# KiCad board Pravetz8A-patched.kicad_pcb (continued)
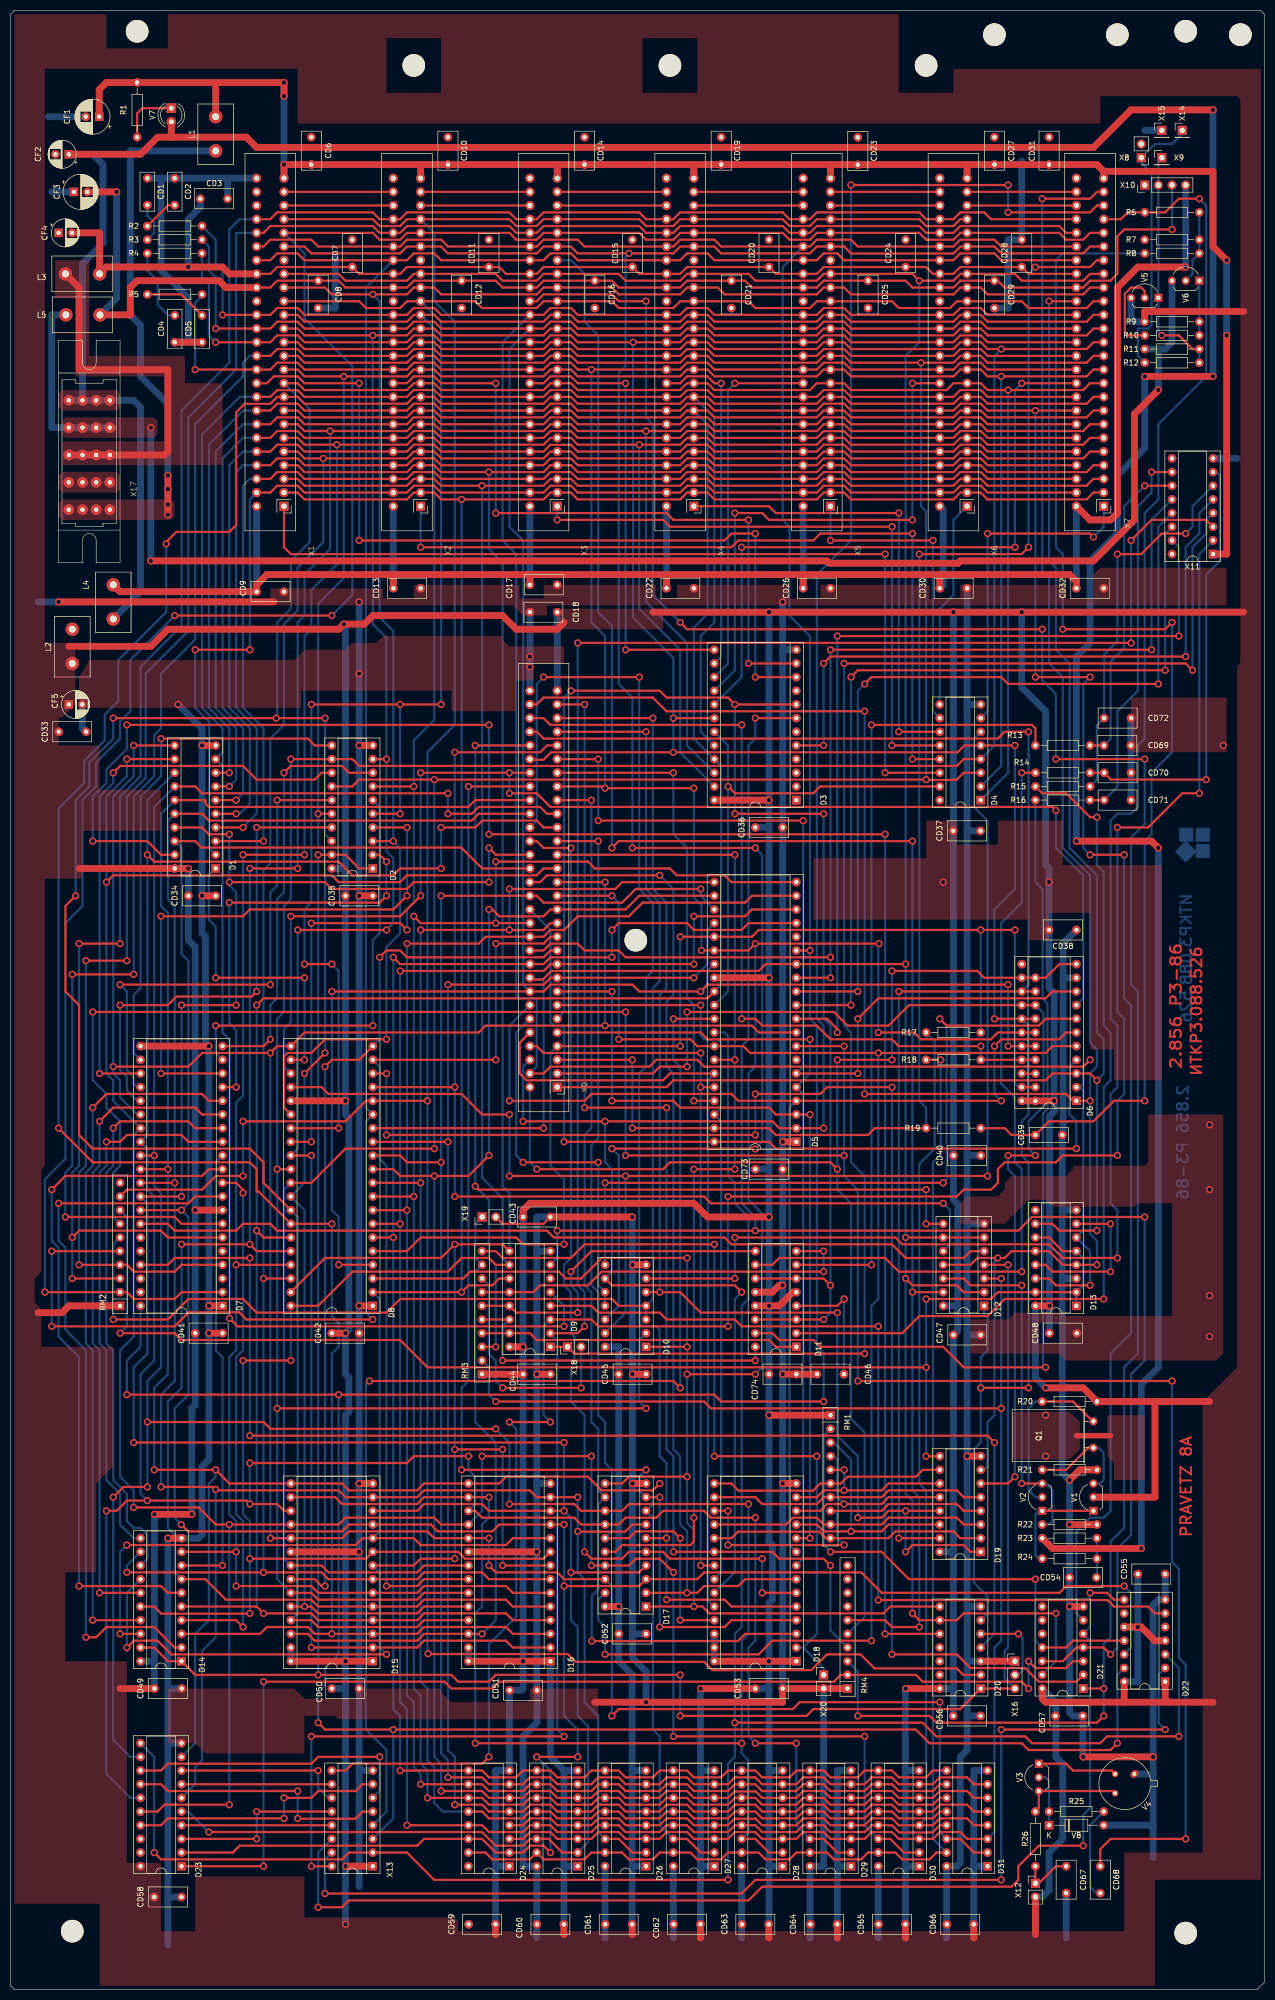
[diagram p0: board, top side]
## Routing (per net, layer and track width the routed paths; a pad name or vN(x,y) marks a point on that pad's centre or on a via; arc(x,y) is an arc through that point) (continued)
~{DS1}: length 157.8
  Top w0.406: v1(138.43,270.51) 133.99,270.51 132.72,269.24 v1(64.77,269.24) ; D3.10 v1(138.43,243.84) ; 45.72,298.45 47.62,298.45 48.89,299.72 53.34,299.72 54.61,298.45 v1(64.77,298.45)
  Bottom w0.406: v1(64.77,269.24) v1(64.77,298.45) ; v1(138.43,243.84) v1(138.43,270.51)
~{DS2}: length 127.3
  Top w0.406: v1(90.17,274.32) 121.92,274.32 123.19,273.05 v1(137.16,273.05) ; v1(90.17,298.45) 80.01,298.45 78.74,299.72 74.93,299.72 73.66,298.45 71.12,298.45 ; v1(137.16,246.38) D3.11
  Bottom w0.406: v1(90.17,298.45) v1(90.17,274.32) ; v1(137.16,273.05) v1(137.16,246.38)
~{DS3}: length 84.9
  Top w0.406: 96.52,298.45 99.06,298.45 100.33,299.72 104.14,299.72 105.41,298.45 v1(114.3,298.45) ; D3.13 v1(114.3,248.92)
  Bottom w0.406: v1(114.3,248.92) v1(114.3,298.45)
~{DS4}: length 63.8
  Top w0.406: v1(132.08,298.45) 130.81,298.45 129.54,299.72 125.73,299.72 124.46,298.45 121.92,298.45
  Bottom w0.406: D3.14 132.08,247.65 v1(132.08,298.45)
~{DS5}: length 68.9
  Top w0.406: v1(134.62,298.45) 134.62,298.45 147.32,298.45
  Bottom w0.406: D3.15 133.35,246.38 133.35,297.18 v1(134.62,298.45)
~{DS6}: length 98.6
  Top w0.406: v1(167.64,273.05) 140.97,273.05 139.7,274.32 v1(134.62,274.32) ; v1(167.64,298.45) 172.72,298.45
  Bottom w0.406: v1(134.62,274.32) 134.62,245.11 D3.16 ; v1(167.64,298.45) v1(167.64,273.05)
~{DS7}: length 123.3
  Top w0.406: v1(135.89,267.97) v1(186.69,267.97) ; v1(187.96,298.45) 187.96,298.45 198.12,298.45
  Bottom w0.406: v1(135.89,267.97) 135.89,243.84 D3.17 ; v1(187.96,298.45) 186.69,297.18 v1(186.69,267.97)
~{EN80}: length 218.6
  Top w0.406: v1(82.55,229.87) 98.42,229.87 99.7,231.14 X0.26 ; v1(82.55,147.32) 128.91,147.32 130.18,146.05 v1(173.36,146.05) ; D8.17 v1(82.55,167.64)
  Bottom w0.406: D12.10 174.62,138.43 174.62,144.78 v1(173.36,146.05) ; v1(82.55,147.32) v1(82.55,167.64) v1(82.55,229.87)
~{ENKBD}: length 438
  Top w0.406: v1(203.2,50.8) 201.93,49.53 172.09,49.53 170.81,50.8 v1(157.48,50.8) ; X3.35 97.79,313.69 99.06,314.96 111.76,314.96 113.03,313.69 v1(118.11,313.69) ; v1(191.77,252.73) 125.73,252.73 v1(124.46,254) ; v1(210.82,228.6) v1(194.31,228.6) ; D21.1 v1(203.2,55.88)
  Bottom w0.406: v1(191.77,252.73) 191.77,243.2 194.31,240.66 v1(194.31,228.6) ; v1(210.82,228.6) 210.82,216.53 208.28,213.99 208.28,186.69 209.55,185.42 209.55,118.11 207.01,115.57 207.01,85.72 204.47,83.19 204.47,65.4 203.2,64.13 v1(203.2,55.88) v1(203.2,50.8) ; v1(124.46,254) 119.38,259.08 119.38,290.83 118.11,292.1 v1(118.11,313.69) ; v1(157.48,50.8) 157.48,59.05 RM4.3
~{ENTMG}: length 245.3
  Top w0.406: v1(153.67,152.4) 152.4,153.67 122.55,153.67 121.29,152.4 v1(97.79,152.4) ; v1(163.83,189.23) 179.71,189.23 180.98,187.96 D6.13 192.41,187.96 194.95,190.5 D6.11 ; v1(153.67,172.72) v1(163.83,172.72)
  Bottom w0.406: X0.60 96.52,153.67 v1(97.79,152.4) ; RM4.5 158.75,69.21 158.75,103.5 156.21,106.04 156.21,146.05 153.67,148.59 v1(153.67,152.4) v1(153.67,172.72) ; v1(163.83,172.72) v1(163.83,189.23)
~{ENVID}: length 225.1
  Top w0.406: v1(123.19,81.28) D18.20 141.61,81.28 142.88,80.01 151.13,80.01 v1(152.4,78.74) ; X0.29 v1(106.68,238.76) ; v1(106.68,163.83) v1(121.92,163.83)
  Bottom w0.406: v1(152.4,78.74) 152.4,66.67 RM4.4 ; v1(121.92,163.83) 121.92,100.33 123.19,99.06 v1(123.19,81.28) ; v1(106.68,238.76) v1(106.68,163.83)
~{FRCTXT}: length 69.4
  Top w0.406: v1(109.22,153.67) v1(95.25,153.67)
  Bottom w0.406: v1(109.22,153.67) 109.22,130.81 D10.10 D10.11 ; v1(95.25,153.67) 93.98,154.94 93.98,177.8 X0.55
~{INH}: length 447.2
  Top w0.406: 198.12,321.31 184.15,321.31 184.15,321.31 182.88,322.58 176.53,322.58 175.26,321.31 154.94,321.31 153.67,322.58 151.13,322.58 149.86,321.31 130.81,321.31 129.54,322.58 125.73,322.58 124.46,321.31 105.41,321.31 104.14,322.58 100.33,322.58 99.06,321.31 80.01,321.31 78.74,322.58 74.93,322.58 73.66,321.31 54.61,321.31 53.34,322.58 49.53,322.58 48.26,321.31 45.72,321.31 ; RM2.5 v1(7.62,137.16) ; v1(67.31,124.46) 43.81,124.46 42.48,125.8 33.09,125.8 30.48,123.19 v1(7.62,123.19)
  Bottom w0.406: v1(67.31,124.46) 66.04,125.73 66.04,161.29 D8.15 66.04,163.83 66.04,316.23 71.12,321.31 ; v1(7.62,123.19) v1(7.62,137.16)
~{IO1}: length 170.7
  Top w0.406: D4.14 v1(162.56,226.06) ; v1(162.56,266.7) 52.07,266.7 50.8,267.97 X1.1
  Bottom w0.406: v1(162.56,226.06) v1(162.56,266.7)
~{IO2}: length 147.1
  Top w0.406: v1(167.64,270.51) 150.5,270.51 149.23,269.24 135.26,269.24 133.99,267.97 v1(76.2,267.97) ; D4.13 v1(167.64,228.6)
  Bottom w0.406: v1(167.64,228.6) v1(167.64,270.51) ; 76.2,275.59 v1(76.2,267.97)
~{IO3}: length 114.8
  Top w0.406: v1(101.6,273.05) 121.29,273.05 122.55,271.78 v1(163.83,271.78) ; D4.12 v1(163.83,231.14)
  Bottom w0.406: v1(163.83,271.78) v1(163.83,231.14) ; X3.1 v1(101.6,273.05)
~{IO4}: length 86.9
  Top w0.406: v1(165.1,274.32) 142.24,274.32 140.97,275.59 X4.1 ; D4.11 v1(165.1,233.68)
  Bottom w0.406: v1(165.1,233.68) v1(165.1,274.32)
~{IO5}: length 58.9
  Top w0.406: v1(152.4,269.24) v1(171.45,269.24)
  Bottom w0.406: v1(171.45,269.24) 171.45,237.49 D4.10 ; X5.1 v1(152.4,269.24)
~{IO6}: length 38.9
  Bottom w0.406: X6.1 175.26,273.05 175.26,259.08 172.72,256.54 D4.9
~{IO7}: length 61.3
  Top w0.406: v1(201.3,269.88) 200.66,270.51 v1(181.61,270.51)
  Bottom w0.406: X7.1 203.2,271.78 v1(201.3,269.88) ; v1(181.61,270.51) 181.61,237.49 D4.7
~{IO STB}: length 410.9
  Top w0.406: X7.20 200.66,323.85 199.39,322.58 184.15,322.58 182.88,323.85 176.53,323.85 175.24,322.56 156.23,322.56 154.94,323.85 149.86,323.85 148.59,322.58 132.08,322.58 130.81,323.85 124.46,323.85 123.19,322.58 105.41,322.58 104.14,323.85 99.06,323.85 97.79,322.58 81.28,322.58 80.01,323.85 73.66,323.85 72.39,322.58 55.88,322.58 54.61,323.85 X1.20 ; v1(138.43,212.09) v1(115.57,212.09) ; v1(111.76,156.21) 138.37,156.21 v1(138.43,156.15)
  Bottom w0.406: v1(115.57,212.09) 115.57,240.03 113.03,242.57 113.03,300.35 114.3,301.62 114.3,321.94 v1(114.93,322.58) ; v1(138.43,156.15) 139.7,157.42 139.7,210.82 v1(138.43,212.09) ; v1(111.76,156.21) 113.03,154.94 113.03,127 D10.12
~{IRQ}: length 398.6
  Top w0.406: X7.30 196.22,326.39 194.95,327.66 176.53,327.66 175.26,326.39 170.18,326.39 168.91,327.66 149.86,327.66 148.59,326.39 144.78,326.39 143.51,327.66 124.46,327.66 123.19,326.39 118.11,326.39 116.84,327.66 99.06,327.66 97.79,326.39 93.98,326.39 92.71,327.66 73.66,327.66 72.39,326.39 68.58,326.39 67.31,327.66 48.26,327.66 46.99,326.39 X1.30 ; D7.4 31.75,134.62 30.48,133.35 22.86,133.35 21.59,134.62 RM2.4 v1(12.7,134.62) ; v1(13.97,191.13) v1(21.59,191.13)
  Bottom w0.406: X1.30 41.91,326.39 41.91,300.99 33.02,292.1 33.02,252.41 25.08,244.47 25.08,225.11 21.59,221.61 v1(21.59,191.13) ; v1(13.97,191.13) 13.97,153.03 12.7,151.76 v1(12.7,134.62)
~{KBD}: length 259.7
  Top w0.406: D21.2 198.12,57.15 191.14,57.15 188.59,59.69 178.44,59.69 175.9,62.23 v1(163.83,62.23) ; v1(138.43,166.37) 150.5,166.37 151.77,167.64 v1(163.83,167.64) ; v1(138.43,158.75) v1(69.85,158.75) ; v1(69.85,170.18) D8.18
  Bottom w0.406: v1(69.85,158.75) v1(69.85,170.18) ; v1(138.43,166.37) v1(138.43,158.75) ; v1(163.83,62.23) v1(163.83,167.64)
~{LDPS}: length 277.2
  Top w0.406: NOREF#3.12 v1(165.1,185.42) ; v1(189.23,233.68) 184.79,233.68 183.52,232.41 99.06,232.41 97.79,233.68 X0.34 ; D19.15 v1(165.1,83.82)
  Bottom w0.406: 187.96,185.42 189.23,186.69 v1(189.23,233.68) ; v1(165.1,185.42) v1(165.1,83.82)
~{NMI}: length 414
  Top w0.406: RM2.3 v1(11.43,132.08) ; X1.29 48.26,328.93 49.53,330.2 67.31,330.2 68.58,328.93 72.39,328.93 73.66,330.2 92.71,330.2 93.98,328.93 97.79,328.93 99.06,330.2 116.84,330.2 118.11,328.93 123.19,328.93 124.46,330.2 143.51,330.2 144.78,328.93 148.59,328.93 149.86,330.2 168.91,330.2 170.18,328.93 175.26,328.93 176.53,330.2 180.98,330.2 182.25,328.93 X7.29 ; D7.6 29.21,139.7 27.94,140.97 12.7,140.97 v1(11.43,139.7) ; v1(12.7,194.31) v1(20.32,194.31)
  Bottom w0.406: v1(12.7,194.31) 12.7,153.03 11.43,151.76 v1(11.43,139.7) v1(11.43,132.08) ; v1(20.32,194.31) 20.32,221.61 24.13,225.42 24.13,245.74 31.75,253.36 31.75,293.37 40.64,302.26 40.64,327.02 42.55,328.93 X1.29
~{PCAS}: length 153.8
  Top w0.406: R18.1 D6.19 NOREF#9.17 ; v1(180.34,175.26) 165.1,175.26 163.83,176.53 152.4,176.53 149.86,179.07 139.7,179.07 138.43,180.34 v1(135.89,180.34) ; X0.33 99.06,236.22 100.33,234.95 v1(135.89,234.95)
  Bottom w0.406: R18.1 v1(180.34,175.26) ; v1(135.89,234.95) v1(135.89,180.34)
~{PRAS}: length 233.2
  Top w0.406: X0.4 v1(124.46,175.26) ; v1(124.46,195.58) 137.8,195.58 139.06,196.85 v1(180.34,196.85) v1(186.69,196.85) ; v1(102.87,138.43) 95.25,138.43 93.98,139.7 76.2,139.7 73.66,137.16 D8.5 ; 187.96,167.64 NOREF#6.19
  Bottom w0.406: v1(124.46,175.26) v1(124.46,195.58) ; 187.96,167.64 187.33,167.64 186.69,168.27 v1(186.69,196.85) ; v1(180.34,196.85) R17.1 ; X0.4 100.33,173.99 100.33,153.03 102.87,150.49 v1(102.87,138.43)
~{RA9}: length 145.8
  Top w0.406: X0.56 94.61,175.89 94.61,170.18 95.88,168.91 121.29,168.91 122.55,170.18 D5.35
  Bottom w0.406: D18.24 129.54,72.39 129.61,72.46 129.61,168.98 D5.35
~{RA10}: length 132.6
  Top w0.406: X0.57 97.79,175.26 99.06,173.99 v1(128.27,173.99) ; D5.36 v1(128.27,167.64) ; D18.21 v1(128.27,78.74)
  Bottom w0.406: v1(128.27,173.99) v1(128.27,167.64) v1(128.27,78.74)
~{RES}: length 778.4
  Top w0.406: v1(151.13,109.22) 132.08,109.22 130.81,110.49 v1(60.96,110.49) v1(21.59,110.49) ; D5.15 v1(148.59,193.04) ; v1(205.74,45.72) 204.47,44.45 189.23,44.45 187.96,45.72 170.81,45.72 168.28,48.26 v1(71.12,48.26) 58.42,48.26 v1(57.15,49.53) ; X7.31 184.15,323.85 182.88,325.12 176.53,325.12 175.26,323.85 157.48,323.85 156.21,325.12 149.86,325.12 148.59,323.85 132.08,323.85 130.81,325.12 124.46,325.12 123.19,323.85 106.68,323.85 105.41,325.12 99.06,325.12 97.79,323.85 81.28,323.85 80.01,325.12 73.66,325.12 72.39,323.85 57.15,323.85 55.88,325.12 48.26,325.12 46.99,323.85 X1.31
  Bottom w0.406: D7.40 24.13,119.38 21.59,116.84 v1(21.59,110.49) ; v1(151.13,109.22) 151.13,118.11 149.86,119.38 149.86,179.07 148.59,180.34 v1(148.59,193.04) 148.59,251.46 144.78,255.27 144.78,271.78 143.51,273.05 143.51,320.04 X5.31 ; v1(71.12,48.26) 71.12,31.75 X13.3 ; D22.13 205.74,58.42 v1(205.74,45.72) ; v1(57.15,49.53) 57.15,55.25 58.42,56.51 58.42,59.69 60.96,62.23 v1(60.96,110.49)
~{ROMEN1}: length 166.1
  Top w0.406: v1(58.42,171.45) 59.69,172.72 64.77,172.72 D8.20 ; 52.07,76.2 56.52,76.2 57.78,74.93 v1(58.42,74.93) ; v1(68.58,191.77) 69.85,193.04 72.39,193.04 73.66,191.77 99.06,191.77 100.33,193.04 X0.11 100.96,193.04
  Bottom w0.406: D8.20 68.58,176.53 v1(68.58,191.77) ; v1(58.42,74.93) v1(58.42,171.45)
~{ROMEN2}: length 171.7
  Top w0.406: 100.96,195.58 X0.12 100.33,195.58 99.06,194.31 99.04,194.33 v1(90.19,194.33) 90.17,194.31 ; v1(90.17,172.72) D8.19 ; v1(69.85,74.93) 75.56,74.93 76.83,76.2 D16.22
  Bottom w0.406: v1(90.17,172.72) 90.19,172.74 v1(90.19,194.33) ; D8.19 68.58,171.45 68.58,154.3 69.85,153.03 v1(69.85,74.93)
~{SEROUT}: length 241.3
  Top w0.406: D19.13 163.2,88.9 161.93,87.63 v1(157.48,87.63) ; v1(153.67,125.73) 128.27,125.73 124.46,129.54 D10.5 ; v1(119.38,236.22) X0.28 ; v1(166.37,81.28) 167.64,82.55 177.17,82.55 178.44,81.28 D19.1
  Bottom w0.406: v1(120.65,129.54) 120.65,184.78 121.92,186.05 121.92,201.93 119.38,204.47 v1(119.38,236.22) ; v1(153.67,125.73) 153.67,102.87 157.48,99.06 v1(157.48,87.63) ; v1(166.37,81.28) v1(166.37,88.9)
~{STB}: length 119.5
  Top w0.406: v1(151.13,231.14) D3.5 ; v1(218.44,247.65) 152.4,247.65 v1(151.13,246.38)
  Bottom w0.406: v1(151.13,246.38) v1(151.13,231.14) ; X11.5 220.98,274.32 220.98,270.51 218.44,267.97 v1(218.44,247.65)
~{SYNC}: length 276.2
  Top w0.406: R19.2 160.66,160.02 159.39,158.75 142.24,158.75 140.97,160.02 D5.39 v1(115.57,160.02) ; X7.19 201.93,321.31 200.66,320.04 v1(190.5,320.04) ; v1(115.57,172.72) X0.3 ; v1(168.91,266.7) 187.96,266.7 v1(189.23,267.97)
  Bottom w0.406: v1(190.5,320.04) 189.23,318.77 v1(189.23,267.97) ; R19.2 170.18,163.83 168.91,165.1 v1(168.91,266.7) ; v1(115.57,160.02) v1(115.57,172.72)
~{WNDW}: length 138
  Top w0.406: X0.7 v1(128.27,182.88)
  Bottom w0.406: v1(128.27,182.88) 128.27,177.16 128.91,176.53 131.45,176.53 132.08,175.89 132.08,163.83 D5.38 132.08,161.29 132.08,77.47 D18.22
Net-(CD1-Pad2): length 7.4
  Bottom w0.406: 25.4,331.47 25.4,329.56 26.67,328.29 26.67,326.39 R3.1
Net-(CD2-Pad2): length 6.7
  Top w0.406: R2.1 29.29,331.55 CD2.2
Net-(CD4-Pad2): length 14.3
  Bottom w0.406: CD4.2 29.29,311.07 27.31,313.05 27.31,317.5 25.4,319.4 R4.1
Net-(CD5-Pad2): length 11.8
  Top w0.406: R5.1 31.67,314.96 CD5.2
Net-(CD39-Pad2): length 231
  Top w0.406: v1(210.82,165.1) 205.11,165.1 201.3,161.29 193.04,161.29 CD39.2 186.06,158.75 184.79,160.02 180.98,160.02 ; v1(195.58,252.73) 214.63,252.73 v1(215.9,254)
  Bottom w0.406: R8.2 195.58,322.58 194.31,321.31 194.31,267.97 195.58,266.7 v1(195.58,252.73) ; v1(215.9,254) 215.9,229.87 212.09,226.06 212.09,214.63 210.82,213.36 v1(210.82,165.1)
Net-(CD54-Pad2): length 7.3
  Bottom w0.406: R23.2 201.93,76.6 CD54.2
Net-(CD68-Pad2): length 16.8
  Bottom w0.406: R25.1 200.66,30.48 200.66,19.05 201.93,17.78
Net-(D1-CE): length 360.6
  Top w0.406: v1(15.24,213.36) 25.4,213.36 27.94,210.82 D1.19 ; v1(162.56,66.04) D20.10 ; v1(88.9,214.63) v1(162.56,214.63) ; v1(21.59,234.95) v1(88.9,234.95)
  Bottom w0.406: v1(21.59,234.95) 21.59,230.5 17.78,226.69 17.78,224.15 15.24,221.61 v1(15.24,213.36) ; v1(162.56,66.04) v1(162.56,214.63) ; v1(88.9,234.95) v1(88.9,214.63)
Net-(D2-I0a): length 76.5
  Top w0.406: v1(40.64,201.93) 68.58,201.93 v1(69.85,203.2) ; v1(41.91,167.64) D7.17 ; 67.31,210.82 68.58,210.82 v1(69.85,209.55)
  Bottom w0.406: v1(41.91,167.64) 41.91,178.28 40.64,179.55 v1(40.64,201.93) ; v1(69.85,209.55) v1(69.85,203.2)
Net-(D2-I0b): length 94.6
  Top w0.406: v1(27.94,232.41) 55.24,232.41 56.52,231.14 D2.11
  Bottom w0.406: v1(27.94,232.41) 27.94,225.42 24.13,221.61 24.13,186.05 22.86,184.78 22.86,173.99 D7.22
Net-(D2-I1a): length 107
  Top w0.406: D2.4 v1(73.66,215.9) ; D7.18 v1(27.94,170.18) ; v1(27.94,199.39) 43.18,199.39 44.45,200.66 71.12,200.66 v1(73.66,203.2)
  Bottom w0.406: v1(27.94,199.39) v1(27.94,170.18) ; v1(73.66,215.9) v1(73.66,203.2)
Net-(D2-I1b): length 107.3
  Top w0.406: v1(19.05,226.06) 20.32,227.33 43.18,227.33 45.72,224.79 56.52,224.79 57.78,226.06 D2.13 ; D7.23 v1(16.51,170.18)
  Bottom w0.406: v1(16.51,170.18) 16.51,221.61 19.05,224.15 v1(19.05,226.06)
Net-(D2-I2a): length 79
  Top w0.406: v1(67.31,179.07) v1(38.1,179.07)
  Bottom w0.406: D7.19 38.1,173.99 v1(38.1,179.07) ; 67.31,220.98 68.58,219.71 68.58,196.21 67.31,194.94 v1(67.31,179.07)
Net-(D2-I2b): length 93.9
  Top w0.406: 59.69,220.98 v1(49.53,220.98) ; v1(48.26,186.69) v1(20.32,186.69)
  Bottom w0.406: v1(49.53,220.98) 49.53,205.1 48.26,203.83 v1(48.26,186.69) ; D7.24 23.5,167.64 22.86,168.27 22.86,169.54 21.59,170.81 21.59,185.42 v1(20.32,186.69)
Net-(D2-I3a): length 77.6
  Top w0.406: v1(48.26,176.53) 46.99,175.26 D7.20 ; v1(50.8,226.06) 52.07,227.33 61.59,227.33 62.86,226.06 D2.8
  Bottom w0.406: v1(48.26,176.53) 48.26,182.88 49.53,184.15 49.53,202.56 50.8,203.83 v1(50.8,226.06)
Net-(D2-I3b): length 90.6
  Top w0.406: 45.72,185.42 44.77,184.47 30.8,184.47 29.21,182.88 v1(20.32,182.88) ; D2.17 v1(45.72,215.9)
  Bottom w0.406: v1(45.72,215.9) 45.72,185.42 v1(45.72,185.42) ; v1(20.32,182.88) 20.32,170.81 21.59,169.54 21.59,167 23.5,165.1 D7.25
Net-(D6-I2): length 135.8
  Top w0.406: D6.7 192.41,180.34 191.14,179.07 173.99,179.07 v1(172.72,180.34) ; v1(110.49,149.86) v1(173.36,149.86)
  Bottom w0.406: D10.8 v1(110.49,149.86) ; v1(173.36,149.86) 173.99,150.49 173.99,179.07 v1(172.72,180.34)
Net-(D7-R/~{W}): length 161.1
  Top w0.406: D12.5 178.44,137.16 177.17,135.89 166.37,135.89 163.83,138.43 133.99,138.43 132.72,139.7 100.96,139.7 99.7,140.97 49.53,140.97 48.26,142.24 43.18,142.24 41.91,140.97 30.48,140.97 29.21,142.24 D7.34
Net-(D7-ϕ0): length 232
  Top w0.406: v1(44.45,102.87) 181.61,102.87 v1(182.88,101.6) ; D7.37 29.21,134.62 30.48,135.89 v1(44.45,135.89)
  Bottom w0.406: v1(182.88,101.6) 182.88,66.04 D20.4 ; v1(44.45,102.87) v1(44.45,135.89)
Net-(D9-I1): length 385.5
  Top w0.406: v1(92.71,105.41) v1(100.33,105.41) ; v1(133.35,123.19) 109.22,123.19 107.95,124.46 D9.3 ; v1(133.35,147.32) 175.9,147.32 177.17,148.59 182.25,148.59 183.52,149.86 183.52,152.4 184.79,153.67 194.31,153.67 195.58,154.94 v1(205.74,154.94) ; X13.9 62.23,40.64 63.5,41.91 87.63,41.91 v1(88.9,43.18) ; v1(205.74,215.9) 211.46,215.9 217.81,222.25 v1(220.98,222.25)
  Bottom w0.406: v1(100.33,105.41) 99.06,106.68 99.06,123.19 D9.3 ; v1(92.71,105.41) 93.98,104.14 93.98,69.21 88.9,64.13 v1(88.9,43.18) ; v1(205.74,154.94) 205.74,165.1 207.01,166.37 207.01,180.34 205.74,181.61 v1(205.74,215.9) ; X11.2 220.98,266.7 v1(220.98,222.25) ; v1(133.35,147.32) v1(133.35,123.19)
Net-(D9-I2): length 424.6
  Top w0.406: v1(106.68,123.19) 105.41,121.92 D9.2 ; v1(208.28,250.19) v1(105.41,250.19) ; v1(55.88,46.99) v1(102.87,46.99) ; X13.16 v1(55.88,22.86) ; v1(208.28,269.24) 212.09,273.05 222.25,273.05 223.52,271.78
  Bottom w0.406: 100.33,121.92 D9.2 100.33,121.79 101.6,120.52 101.6,48.26 v1(102.87,46.99) ; v1(105.41,250.19) 105.41,130.81 106.68,129.54 v1(106.68,123.19) ; v1(55.88,22.86) v1(55.88,46.99) ; v1(208.28,269.24) v1(208.28,250.19)
Net-(D9-I3): length 284.9
  Top w0.406: v1(158.75,118.11) 104.77,118.11 103.51,119.38 D9.1 ; v1(219.71,245.11) 218.44,246.38 v1(154.94,246.38)
  Bottom w0.406: v1(219.71,245.11) 219.71,267.97 222.25,270.51 222.25,273.05 X11.4 ; v1(154.94,246.38) 154.94,179.07 156.21,177.8 156.21,153.67 158.75,151.13 v1(158.75,118.11)
Net-(D11-CV): length 23.4
  Top w0.406: v1(154.94,128.27) 153.67,127 D11.4
  Bottom w0.406: v1(154.94,128.27) 154.9,128.23 CD46.2
Net-(D11-OA): length 59.5
  Top w0.406: RM3.4 96.52,121.92 97.79,120.65 140.97,120.65 142.24,119.38 D11.1
Net-(D11-OB): length 74
  Top w0.406: D11.8 v1(151.13,137.16) ; v1(151.13,133.35) 109.86,133.35 107.31,130.81 98.42,130.81 97.16,129.54 D9.12 RM3.7
  Bottom w0.406: v1(151.13,137.16) v1(151.13,133.35)
Net-(D11-OC): length 62.3
  Top w0.406: D11.9 107.95,137.16 v1(104.14,133.35) ; v1(105.41,125.73) 93.98,125.73 D9.13 87.63,127
  Bottom w0.406: v1(104.14,133.35) 104.14,130.81 105.41,129.54 v1(105.41,125.73)
Net-(D11-OD): length 63.4
  Top w0.406: v1(138.43,116.84) v1(91.44,116.84) ; 88.27,124.46 RM3.5 D9.14
  Bottom w0.406: v1(91.44,116.84) 91.44,123.19 D9.14 ; D11.16 v1(138.43,116.84)
Net-(D11-TA-Pad2): length 164.7
  Top w0.406: D11.2 165.74,121.92 168.91,125.09 181.61,125.09 184.79,128.27 v1(203.2,128.27) ; v1(201.93,217.8) 200.66,217.8 196.22,222.25 191.77,222.25 R15.1
  Bottom w0.406: v1(203.2,128.27) 203.2,167.64 204.47,168.91 204.47,177.8 203.2,179.07 203.2,207.64 201.93,208.91 v1(201.93,217.8)
Net-(D11-TB-Pad7): length 148.2
  Top w0.406: v1(160.02,234.95) 189.87,234.95 190.5,234.31 R13.1 ; D11.7 v1(160.02,134.62)
  Bottom w0.406: v1(160.02,134.62) v1(160.02,234.95)
Net-(D11-TC-Pad10): length 149.5
  Top w0.406: v1(187.96,226.06) R14.1 ; v1(187.96,133.35) 165.1,133.35 162.56,135.89 142.88,135.89 141.61,134.62 D11.10
  Bottom w0.406: v1(187.96,226.06) 187.96,201.93 184.15,198.12 184.15,168.27 186.69,165.73 186.69,153.67 187.96,152.4 v1(187.96,133.35)
Net-(D11-TD-Pad15): length 163.5
  Top w0.406: v1(192.41,115.57) 177.17,115.57 173.36,119.38 150.5,119.38 149.23,120.65 142.88,120.65 141.61,121.92 D11.15
  Bottom w0.406: R16.1 190.5,205.74 191.84,204.4 191.84,184.07 192.74,183.17 192.74,163.58 191.92,162.76 191.92,116.06 v1(192.41,115.57)
Net-(D13A-~{Q}): length 28.5
  Top w0.406: v1(204.47,133.35) 193.68,133.35 192.41,134.62 191.14,134.62 ; 198.76,142.24 v1(204.47,142.24)
  Bottom w0.406: v1(204.47,142.24) v1(204.47,133.35)
Net-(D14-I0a): length 133.9
  Top w0.406: v1(13.97,65.4) 15.88,65.4 17.78,67.31 26.67,67.31 30.48,63.5 D14.2 ; v1(8.89,146.05) 33.02,146.05 34.29,147.32 D7.9
  Bottom w0.406: v1(8.89,146.05) 8.89,139.06 10.16,137.79 10.16,122.55 13.97,118.75 v1(13.97,65.4)
Net-(D14-I0b): length 100.7
  Top w0.406: D7.13 33.02,157.48 31.75,158.75 21.59,158.75 20.32,157.48 v1(17.78,157.48)
  Bottom w0.406: 24.13,83.82 22.86,83.82 20.32,86.36 20.32,92.07 17.78,94.61 17.78,118.75 16.51,120.01 16.51,151.76 17.78,153.03 v1(17.78,157.48)
Net-(D14-I1a): length 98.6
  Top w0.406: D14.4 41.91,68.58 v1(43.18,67.31) ; v1(43.18,147.95) 43.18,148.59 41.91,149.86 D7.10
  Bottom w0.406: v1(43.18,147.95) 43.18,118.75 41.91,117.47 41.91,88.26 43.18,87 v1(43.18,67.31)
Net-(D14-I1b): length 107.6
  Top w0.406: v1(19.05,160.02) 20.32,161.29 33.02,161.29 34.29,160.02 D7.14
  Bottom w0.406: v1(19.05,160.02) 19.05,153.03 17.78,151.76 17.78,120.01 19.05,118.75 19.05,94.61 21.59,92.07 21.59,87 22.86,85.72 24.13,85.72 25.4,84.45 25.4,80.01 24.13,78.74
Net-(D14-I2a): length 128.7
  Top w0.406: v1(7.62,148.59) 10.16,151.13 35.56,151.13 36.83,152.4 D7.11 ; D14.6 29.21,73.66 27.94,74.93 v1(12.7,74.93)
  Bottom w0.406: v1(12.7,74.93) 12.7,117.47 8.89,121.28 8.89,137.79 7.62,139.06 v1(7.62,148.59)
Net-(D14-I2b): length 120.7
  Top w0.406: 24.13,73.66 v1(16.51,73.66) ; D7.15 35.56,162.56 34.29,163.83 19.05,163.83 v1(16.51,161.29)
  Bottom w0.406: v1(16.51,161.29) 16.51,153.03 15.24,151.76 15.24,120.01 16.51,118.75 v1(16.51,73.66)
Net-(D14-I3a): length 84.8
  Top w0.406: D14.8 v1(39.37,78.74)
  Bottom w0.406: v1(39.37,78.74) 39.37,117.47 38.17,118.68 38.17,153.74 39.37,154.94
Net-(D14-I3b): length 130.9
  Top w0.406: 24.13,68.58 v1(15.24,68.58) ; v1(15.24,163.83) 17.78,166.37 35.56,166.37 36.83,165.1 39.37,165.1
  Bottom w0.406: v1(15.24,163.83) 15.24,153.03 13.97,151.76 13.97,120.01 15.24,118.75 v1(15.24,68.58)
Net-(D14-OEa): length 423.3
  Top w0.406: X16.3 D20.1 176.53,52.07 149.23,52.07 147.96,50.8 v1(124.46,50.8) ; v1(57.15,210.82) D2.19 62.23,210.82 64.77,208.28 D2.1 ; v1(124.46,58.42) 90.17,58.42 88.9,57.15 83.19,57.15 81.91,58.42 v1(57.15,58.42) 34.29,58.42 D14.1 29.21,60.96 26.67,63.5 24.13,63.5 ; v1(185.42,134.62) D12.4
  Bottom w0.406: v1(124.46,58.42) v1(124.46,50.8) ; X16.3 184.79,57.78 184.79,62.86 185.42,63.5 v1(185.42,134.62) ; v1(57.15,58.42) v1(57.15,210.82)
Net-(D18-A12): length 147.7
  Top w0.406: v1(130.81,138.43) 106.68,138.43 104.14,135.89 91.44,135.89 90.17,137.16 RM3.10 ; v1(149.86,99.06) v1(130.81,99.06)
  Bottom w0.406: v1(130.81,99.06) v1(130.81,138.43) ; 147.32,63.5 149.86,66.04 v1(149.86,99.06) ; 147.32,63.5 151.13,59.69 X20.1 ; 147.32,63.5 D18.2
Net-(D18-D0): length 45.5
  Top w0.406: D19.14 163.2,86.36 161.93,85.09 v1(156.21,85.09) 151.13,85.09 149.86,86.36 D18.11
  Bottom w0.406: 153.04,101.6 156.21,98.43 v1(156.21,85.09)
Net-(D18-D1): length 37.4
  Top w0.406: D18.12 150.49,88.9 151.77,90.17 v1(154.94,90.17) 161.93,90.17 163.2,91.44 D19.12
  Bottom w0.406: 153.04,99.06 153.67,98.42 153.67,91.44 v1(154.94,90.17)
Net-(D18-D2): length 34.1
  Top w0.406: v1(154.94,96.52) 152.4,96.52 ; D18.13 149.86,91.44 151.13,92.71 161.93,92.71 163.2,93.98 D19.11
  Bottom w0.406: v1(154.94,92.71) v1(154.94,96.52)
Net-(D18-D3): length 44.1
  Top w0.406: D19.10 169.55,96.52 168.28,95.25 155.58,95.25 154.31,93.98 150.5,93.98 149.16,92.64 135.32,92.64 133.99,93.98 D18.15
Net-(D18-D4): length 51.6
  Top w0.406: D18.16 138.43,91.44 139.7,90.17 149.86,90.17 151.13,91.44 161.93,91.44 163.2,92.71 175.9,92.71 177.17,91.44 D19.5
Net-(D18-D5): length 66
  Top w0.406: 153.04,88.9 161.92,88.9 163.2,90.17 175.9,90.17 177.17,88.9 D19.4 ; v1(133.35,82.55) v1(154.94,82.55) ; D18.17 v1(133.35,88.9)
  Bottom w0.406: v1(154.94,82.55) 153.67,83.82 153.67,88.26 153.04,88.9 ; v1(133.35,88.9) v1(133.35,82.55)
Net-(D18-D6): length 51.6
  Top w0.406: D19.3 177.17,86.36 175.9,87.63 163.2,87.63 161.93,86.36 151.13,86.36 149.86,87.63 145.42,87.63 144.15,86.36 D18.18
Net-(D18-D7): length 51.6
  Top w0.406: D18.19 133.99,83.82 135.19,85.02 150.34,85.02 151.54,83.82 163.2,83.82 164.47,85.09 175.26,85.09 176.53,83.82 D19.2
Net-(D22A-D): length 205.8
  Top w0.406: v1(184.15,20.32) 138.43,20.32 135.89,17.78 v1(58.42,17.78) ; v1(184.15,48.26) v1(214.63,48.26)
  Bottom w0.406: v1(184.15,20.32) v1(184.15,48.26) ; v1(214.63,48.26) 213.43,49.46 213.43,58.49 D22.2 ; X13.15 58.42,24.13 v1(58.42,17.78)
Net-(D22A-~{Q}): length 167.8
  Top w0.406: D22.6 212.73,69.85 211.46,71.12 205.11,71.12 203.9,72.32 v1(161.29,72.32) ; D9.4 107.95,127 109.22,125.73 120.65,125.73 121.92,124.46 134.62,124.46 135.89,123.19 v1(161.29,123.19)
  Bottom w0.406: v1(161.29,72.32) v1(161.29,123.19)
Net-(D22B-C): length 93.1
  Top w0.406: D21.11 196.22,63.5 197.49,64.77 D22.11 ; v1(190.5,76.2) 167.01,76.2 161.93,81.28 v1(152.4,81.28)
  Bottom w0.406: 152.4,104.14 151.13,102.87 151.13,82.55 v1(152.4,81.28) ; D21.11 190.5,64.77 v1(190.5,76.2)
Net-(D22B-~{Q}): length 217.7
  Top w0.406: v1(200.66,73.66) 203.84,73.66 205.11,72.39 D22.8 ; v1(199.39,26.67) 191.14,26.67 187.33,22.86 187.33,20.32 186.06,19.05 139.7,19.05 137.16,16.51 62.86,16.51 61.59,15.24 v1(57.15,15.24)
  Bottom w0.406: v1(57.15,15.24) 57.15,25.4 59.69,27.94 ; v1(200.66,73.66) 200.66,67.31 D21.5 200.66,64.77 200.66,33.65 199.39,32.38 v1(199.39,26.67)
Net-(D23-D0): length 33
  Top w0.406: v1(45.72,33.02) X13.12 ; 45.72,27.94 45.72,27.94 v1(45.72,27.94) 45.72,27.94 31.75,27.94 D23.3
  Bottom w0.406: v1(45.72,27.94) v1(45.72,33.02)
Net-(D23-D1): length 27.9
  Top w0.406: D23.4 X13.13
Net-(D23-D2): length 28.6
  Top w0.406: 60.33,38.1 D23.7
Net-(D23-D3): length 32.5
  Top w0.406: v1(57.15,40.64) 56.52,40.64 D23.8
  Bottom w0.406: 60.33,35.56 59.05,35.56 57.15,37.46 v1(57.15,40.64)
Net-(D23-D4): length 53.6
  Top w0.406: 24.13,40.64 27.94,40.64 29.21,41.91 55.88,41.91 57.15,43.18 v1(68.58,43.18)
  Bottom w0.406: v1(68.58,43.18) 68.58,36.83 67.31,35.56
Net-(D23-D5): length 49.4
  Top w0.406: X13.5 65.41,33.02 64.07,31.68 53.41,31.68 v1(53.34,31.75) ; 24.13,38.1 27.94,38.1 29.21,36.83 v1(53.34,36.83)
  Bottom w0.406: v1(53.34,31.75) v1(53.34,36.83)
Net-(D23-D6): length 48.6
  Top w0.406: v1(50.8,31.75) 29.21,31.75 27.94,30.48 24.13,30.48 ; v1(50.8,35.56) 55.88,35.56 57.15,36.83 64.13,36.83 65.41,38.1 X13.7
  Bottom w0.406: v1(50.8,31.75) v1(50.8,35.56)
Net-(D23-OE): length 210.7
  Top w0.406: v1(46.99,57.15) 80.64,57.15 81.91,55.88 89.53,55.88 90.8,57.15 153.04,57.15 154.31,58.42 168.28,58.42 169.55,57.15 187.96,57.15 v1(189.23,55.88) ; D21.3 197.49,60.96 196.22,59.69 190.5,59.69 v1(189.23,60.96) ; D23.1 v1(46.99,22.86)
  Bottom w0.406: v1(46.99,22.86) v1(46.99,57.15) ; v1(189.23,55.88) v1(189.23,60.96)
Net-(RM3G-R7.2): length 44.1
  Top w0.406: v1(91.44,111.76) v1(106.05,111.76)
  Bottom w0.406: v1(91.44,111.76) 90.17,113.03 90.17,116.84 88.9,118.11 88.9,130.81 RM3.8 ; v1(106.05,111.76) X18.2
Net-(V1-C): length 20.1
  Top w0.406: 192.41,96.52 196.22,96.52 200.33,100.64 Q1.2
  Bottom w0.406: Q1.2 202.26,100.64 203.2,99.69 203.2,94.61 202.56,93.98 V1.3
Net-(V1-E): length 20.8
  Top w0.406: V1.1 V2.1
  Bottom w0.406: 192.41,88.9 191.14,88.9 190.5,88.26 190.5,80.64 191.14,80.01 R24.1
Net-(V2-B): length 32.4
  Top w0.406: 192.41,109.22 197.49,109.22 201.17,105.54 Q1.1
  Bottom w0.406: 192.41,109.22 190.5,109.22 189.23,107.95 189.23,92.71 190.5,91.44 V2.2
Net-(V2-C): length 66.1
  Top w0.406: v1(187.96,130.81) 178.44,130.81 177.17,132.08 D12.12 ; v1(187.96,93.98) V2.3
  Bottom w0.406: V2.3 192.41,93.98 193.67,92.71 193.67,86.99 193.04,86.36 R22.1 ; v1(187.96,93.98) v1(187.96,130.81)
Net-(V3-B): length 10.4
  Bottom w0.406: V8.1 193.04,38.73 192.41,39.37 V3.2
Net-(V3-C): length 19.1
  Top w0.406: 191.14,33.02 R26.1 191.14,33.65 191.14,36.83 204.91,36.83 V4.3
Net-(V3-E): length 15
  Top w0.406: V3.1 196.22,41.91 197.49,40.64 204.69,40.64 V4.2
Net-(V5-B): length 16.8
  Top w0.406: 210.82,314.32 210.82,315.59 210.19,316.23 208.28,316.23 207.13,315.08 207.13,307.86 207.65,307.34 R10.1
Net-(V5-E): length 44.1
  Top w0.406: R11.1 219.71,304.8 217.17,307.34 v1(214,307.34)
  Bottom w0.406: v1(214,307.34) 213.36,307.97 213.36,339.72 X9.1 ; R11.1 R12.2
Net-(V6-B): length 13.8
  Bottom w0.406: V6.2 219.71,318.77 219.71,321.31 R8.1 R7.1 R6.1
Net-(V6-E): length 10.2
  Bottom w0.406: 220.98,317.5 R10.2
Net-(V7-K): length 11.2
  Top w0.406: V7.1 24.45,349.57 23.5,348.62 R1.1
Net-(X1-DMA_OUT): length 20.3
  Top w0.406: X1.24 X2.27
Net-(X1-INT_OUT): length 20.3
  Top w0.406: X2.28 X1.23
Net-(X2-DMA_OUT): length 20.3
  Top w0.406: X3.27 76.2,334.01
Net-(X2-INT_OUT): length 20.3
  Top w0.406: 76.2,331.47 X3.28
Net-(X3-DMA_OUT): length 20.3
  Top w0.406: X4.27 X3.24
Net-(X3-INT_OUT): length 20.3
  Top w0.406: X3.23 X4.28
Net-(X4-DMA_OUT): length 20.3
  Top w0.406: X5.27 X4.24
Net-(X4-INT_OUT): length 20.3
  Top w0.406: X4.23 X5.28
Net-(X5-DMA_OUT): length 20.3
  Top w0.406: X5.24 X6.27
Net-(X5-INT_OUT): length 20.3
  Top w0.406: X6.28 X5.23
Net-(X6-DMA_OUT): length 20.3
  Top w0.406: X7.27 X6.24
Net-(X6-INT_OUT): length 20.3
  Top w0.406: X7.28 X6.23
Net-(X11-POL0): length 71.7
  Top w0.406: v1(212.09,281.94) 216.54,281.94 ; CD71.2 200.66,220.98
  Bottom w0.406: CD71.2 205.74,223.44 205.74,237.49 209.55,241.3 209.55,275.59 212.09,278.13 v1(212.09,281.94)
Net-(X11-POL1): length 81.3
  Top w0.406: 200.66,226.06 CD70.2 204.47,224.87 204.47,224.79 v1(222.25,224.79)
  Bottom w0.406: 223.52,281.94 224.16,281.94 224.79,281.3 224.79,265.43 222.25,262.89 v1(222.25,224.79)
Net-(X11-POL2): length 59.7
  Top w0.406: 216.54,279.4 v1(210.82,279.4) ; CD69.2 200.66,231.14
  Bottom w0.406: CD69.2 204.47,232.37 204.47,232.41 204.48,232.42 204.48,246.71 207.01,249.24 207.01,275.59 v1(210.82,279.4)
Net-(X11-POL3): length 70.6
  Top w0.406: v1(218.44,270.51) 214,270.51 210.19,266.7 v1(205.74,266.7)
  Bottom w0.406: v1(205.74,266.7) 205.74,250.51 203.28,248.05 CD72.2 201.93,234.87 201.93,224.79 200.66,223.52 ; X11.6 219.71,275.59 219.71,271.78 v1(218.44,270.51)
Net-(X12-Pin_1): length 10.2
  Top w0.406: R26.2 X12.1 191.14,19.69 194.31,22.86 CD67.2
Net-(X14-Pin_1): length 51.7
  Bottom w0.406: X14.1 217.81,344.8 215.9,342.9 212.73,342.9 X8.1 210.19,339.41 212.09,337.5 212.09,309.25 211.46,308.61 209.55,308.61 209.55,303.53 R12.1
Net-(X16-C): length 15.2
  Top w0.406: v1(187.33,66.04) D20.5
  Bottom w0.406: v1(187.33,66.04) 188.1,65.26 188.1,59.2 187.33,58.42
Net-(X17-Pin_1): length 93.7
  Top w1.27: v1(29.21,274) v1(29.21,281.3)
  Bottom w1.27: L1.1 22.23,341.63 22.22,341.63 22.22,311.15 24.13,309.25 24.13,299.72 29.21,294.64 v1(29.21,274)
  vias: v1(29.21,278.76) v1(29.21,275.91)
Net-(X17-Pin_3): length 68.6
  Top w1.27: L3.1 12.7,316.23 12.7,300.99 29.21,300.99 29.21,285.75 28.57,285.12 11.43,285.12
unconnected-(D6-Q1-Pad20): length 2.6
  Top w0.25: 187.99,170.15 D6.20
  Top w0.406: NOREF#2.18 187.99,170.15

## Copper pours and planes (outline as drawn; the poured copper is in the pictures)
+5V on Top: 101.6,256.54 101.6,252.73 121.29,252.73 121.29,256.54
+5V on Top: 0.64,367.03 17.78,367.03 17.78,360.68 29.21,360.68 29.21,367.03 165.1,367.03 165.1,352.42 175.26,352.42 175.26,356.87 232.41,356.87 232.41,20.32 212.73,20.32 212.73,0.63 16.51,0.63 16.51,15.88 0.64,15.88 0.64,356.87 6.35,356.87 6.35,250.19 11.43,250.19 12,249.62 12,238.76 9.46,236.22 8.89,236.22 8.89,231.14 16.51,231.14 16.51,222.88 27.94,222.88 27.94,215.26 13.33,215.26 13.33,206.37 6.35,206.37 6.35,153.03 5.71,152.4 5.71,133.35 4.45,132.08 4.45,127.63 5.71,126.36 5.71,119.38 19.05,119.38 19.05,97.15 15.88,93.98 15.88,77.47 10.16,77.47 10.16,60.96 21.59,60.96 21.59,23.5 27.94,23.5 27.94,10.79 34.29,10.79 34.29,20.95 54.61,20.95 54.61,13.33 82.55,13.33 83.19,12.7 83.19,10.79 207.01,10.79 207.01,25.4 221.62,25.4 221.62,109.22 227.97,115.57 227.97,245.74 228.6,246.38 228.6,351.15 227.97,351.79 202.56,351.79 202.56,346.71 53.34,346.71 53.34,356.87 0.64,356.87
+5V on Top: 149.23,210.18 170.18,210.18 170.18,217.17 175.9,217.17 175.9,212.72 183.52,212.72 183.52,217.17 195.58,217.17 195.58,208.91 214,208.91 214,168.91 205.11,168.91 205.11,174.62 200.66,174.62 200.66,200.02 193.04,200.02 193.04,194.94 189.23,194.94 189.23,198.75 149.23,198.75
+5V on Bottom: 170.81,220.98 170.81,182.88 175.9,182.88 175.9,221.61 171.45,221.61
+12V on Top: 8.89,294 9.53,293.37 19.68,293.37 20.32,294 20.32,296.54 19.68,297.18 9.53,297.18 8.89,296.54
+12V on Bottom: 8.89,294 9.53,293.37 19.68,293.37 20.32,294 20.32,296.54 19.68,297.18 9.53,297.18 8.89,296.54
-5V on Top: 9.53,288.92 10.16,288.29 26.67,288.29 27.31,288.92 27.31,291.46 26.67,292.1 10.16,292.1 9.53,291.46
-5V on Bottom: 8.89,288.92 9.53,288.29 19.68,288.29 20.32,288.92 20.32,291.46 19.68,292.1 9.53,292.1 8.89,291.46
GND on Top: 48.26,257.17 48.26,260.35 69.22,260.35 69.22,258.44 74.93,258.44 74.93,260.99 94.61,260.99 94.61,258.44 99.06,258.44 99.1,258.49 99.1,260.99 120.02,260.99 120.02,258.44 123.86,258.48 123.86,260.99 144.78,260.99 144.78,258.44 150.5,258.44 150.5,260.99 170.81,260.99 170.81,258.44 176.53,258.44 176.53,260.99 195.58,260.99 196.22,260.35 196.22,258.44 201.3,258.44 201.3,262.89 202.56,264.16 226.06,264.16 226.06,257.17 99.7,257.17 99.7,255.27 95.25,255.27 93.34,257.17
GND on Top: 226.06,229.87 208.28,229.87 208.28,240.03 226.06,240.03
GND on Top: 8.89,278.76 9.53,278.13 19.68,278.13 20.32,278.76 20.32,281.3 19.68,281.94 9.53,281.94 8.89,281.3
GND on Top: 176.53,142.24 176.53,146.05 177.8,147.32 183.52,147.32 184.79,148.59 184.79,149.86 186.06,151.13 196.22,151.13 197.49,152.4 197.49,153.03 210.82,153.03 211.46,153.67 211.46,162.56 225.43,162.56 225.43,118.11 224.16,116.84 196.22,116.84 194.95,118.11 178.44,118.11 178.44,124.46 185.42,124.46 186.69,125.73 195.58,125.73 196.22,125.09 215.9,125.09 215.9,146.05 209.55,146.05 208.92,145.41 193.68,145.41 192.41,146.68 189.23,146.68 184.79,142.24
GND on Top: 14.61,247.01 12.7,243.84 12.7,238.12 53.97,238.12 53.97,241.3 81.91,241.3 81.91,237.49 93.98,237.49 93.98,243.2 97.16,243.2 97.16,246.38 102.87,246.38 102.87,249.55 92.71,249.55 91.44,250.82 91.44,251.46 69.22,251.46 67.94,250.19 63.5,250.19 62.23,248.92 54.61,248.92 52.7,247.01
GND on Top: 186.06,107.31 186.06,98.42 196.85,98.42 198.76,100.33 198.76,105.41 196.85,107.31
GND on Top: 29.21,55.88 29.21,45.72 34.29,45.72 36.19,43.81 54.61,43.81 54.61,50.8 60.33,50.8 60.96,50.16 109.22,50.16 109.22,55.88 96.52,55.88 96.52,53.97 95.88,53.34 81.91,53.34 80.01,55.25 80.01,55.88 64.13,55.88 64.13,53.97 54.61,53.97 52.7,55.88
GND on Top: 203.84,106.68 203.84,99.06 205.11,97.79 205.11,94.61 210.82,94.61 210.82,106.68
GND on Bottom: 194.95,153.67 198.12,153.67 198.12,144.78 197.49,144.14 194.95,144.14
GND on Bottom: 194.95,124.46 204.47,124.46 204.47,121.92 198.76,116.2 198.76,96.52 196.75,94.71 194.95,96.52 194.95,98.42 190.5,98.42 190.5,107.31 194.31,107.31 194.31,115.57 194.95,116.2
GND on Bottom: 0.64,367.03 17.78,367.03 17.78,360.68 29.21,360.68 29.21,367.03 211.46,367.03 211.46,356.87 223.52,356.87 223.52,367.03 232.41,367.03 232.41,20.32 212.73,20.32 212.72,0.64 16.51,0.63 16.51,15.88 0.64,15.88 0.64,356.87 8.25,356.87 8.25,325.12 6.35,325.12 6.35,281.94 20.96,281.94 20.96,278.13 6.35,278.13 6.35,153.03 5.71,152.4 5.71,133.35 4.45,132.08 4.45,127 5.71,125.73 5.71,116.84 10.16,112.39 10.16,60.96 15.24,60.96 15.24,33.02 21.59,33.02 21.59,10.79 34.29,10.79 34.29,24.76 44.45,24.76 44.45,20.95 54.61,20.95 54.61,10.16 64.13,10.16 64.13,20.32 69.85,20.32 70.48,20.95 70.48,22.22 86.99,22.22 86.99,10.79 207.01,10.79 207.01,25.4 221.62,25.4 221.62,205.74 224.16,208.28 224.16,262.25 227.33,265.43 227.33,295.91 227.97,296.54 227.97,351.79 210.82,351.79 210.82,346.71 211.46,346.07 211.46,342.26 208.92,342.26 208.92,336.55 210.82,336.55 210.82,332.74 208.92,332.74 208.92,327.66 210.82,327.66 210.82,325.12 210.19,324.48 205.74,324.48 205.74,340.36 200.66,340.36 200.66,337.18 200.03,336.55 196.22,336.55 195.58,337.18 195.58,342.26 191.77,342.26 191.77,339.09 184.15,339.09 184.15,341.63 184.79,342.26 175.26,342.26 175.26,336.55 170.18,336.55 170.18,322.58 164.47,322.58 164.47,316.23 165.74,316.23 166.37,315.59 166.37,307.34 163.83,304.8 163.83,278.13 160.02,274.32 160.02,248.92 155.58,248.92 155.58,254.63 154.31,254.63 154.31,264.79 158.12,268.6 158.12,275.59 158.75,276.22 158.75,314.96 161.29,314.96 161.29,321.31 158.75,321.31 158.75,341.63 149.86,341.63 149.86,336.55 142.88,336.55 142.88,321.94 138.43,321.94 138.43,316.87 141.61,316.87 141.61,277.5 136.53,277.5 136.53,302.89 130.18,302.89 130.18,313.05 135.89,313.05 135.89,321.31 129.54,321.31 129.54,335.91 133.35,335.91 133.35,342.26 124.46,342.26 124.46,336.55 119.38,336.55 119.38,324.48 112.39,324.48 112.39,310.51 109.86,310.51 108.58,311.78 108.58,313.69 109.86,313.69 109.86,320.04 107.31,320.04 104.14,323.21 104.14,335.91 107.95,335.91 107.95,342.26 98.42,342.26 98.42,336.55 93.34,336.55 93.34,311.15 89.53,307.34 89.53,301.62 88.27,300.35 87.63,300.35 87.63,285.12 85.72,285.12 85.09,285.75 85.09,311.15 84.45,311.78 83.82,311.78 83.82,314.96 85.72,314.96 85.72,321.94 85.09,322.58 80.64,322.58 80.64,336.55 83.19,336.55 83.19,342.26 73.02,342.26 73.02,336.55 72.39,335.91 68.58,335.91 68.58,325.12 63.5,325.12 61.59,323.21 61.59,320.67 57.15,320.67 57.15,342.26 53.97,342.26 53.97,356.23 47.62,356.23 46.99,355.6 46.99,335.91 41.27,335.91 41.27,356.23 40.64,356.87 0.64,356.87
GND on Bottom: 177.17,216.53 180.34,216.53 180.34,200.66 177.17,200.66
GND on Bottom: 177.17,149.22 185.42,149.22 185.42,140.33 184.79,139.7 182.88,139.7 180.98,141.6 177.17,141.6
Net-(X17-Pin_1) on Top: 8.89,273.68 9.53,273.05 29.85,273.05 30.48,273.68 30.48,276.22 29.85,276.86 9.53,276.86 8.89,276.22
Net-(X17-Pin_1) on Bottom: 8.89,276.86 8.89,273.05 10.16,273.05 10.16,251.46 15.24,251.46 15.24,264.16 21.59,264.16 21.59,276.86
Net-(X17-Pin_3) on Top: 9.53,283.21 39.37,283.21 39.37,297.81 38.73,298.45 32.39,298.45 32.39,303.53 14.61,303.53 14.61,321.31 8.25,321.31 8.25,314.32 12.07,314.32 12.07,299.72 28.57,299.72 28.57,287.65 9.53,287.65
Net-(X17-Pin_3) on Bottom: 8.89,283.84 9.53,283.21 19.68,283.21 20.32,283.84 20.32,286.38 19.68,287.02 9.53,287.02 8.89,286.38

Small or netless copper shapes (teardrops, artwork), in the pictures only: 4 on Bottom

## Text on the board
Bottom: 2.856 P3-86 | ИТКР3.088.526
Top: PRAVETZ 8A | ИТКР3.088.526 | 2.856 P3-86
